# KiCad board tekskey-rounded.kicad_pcb (continued)
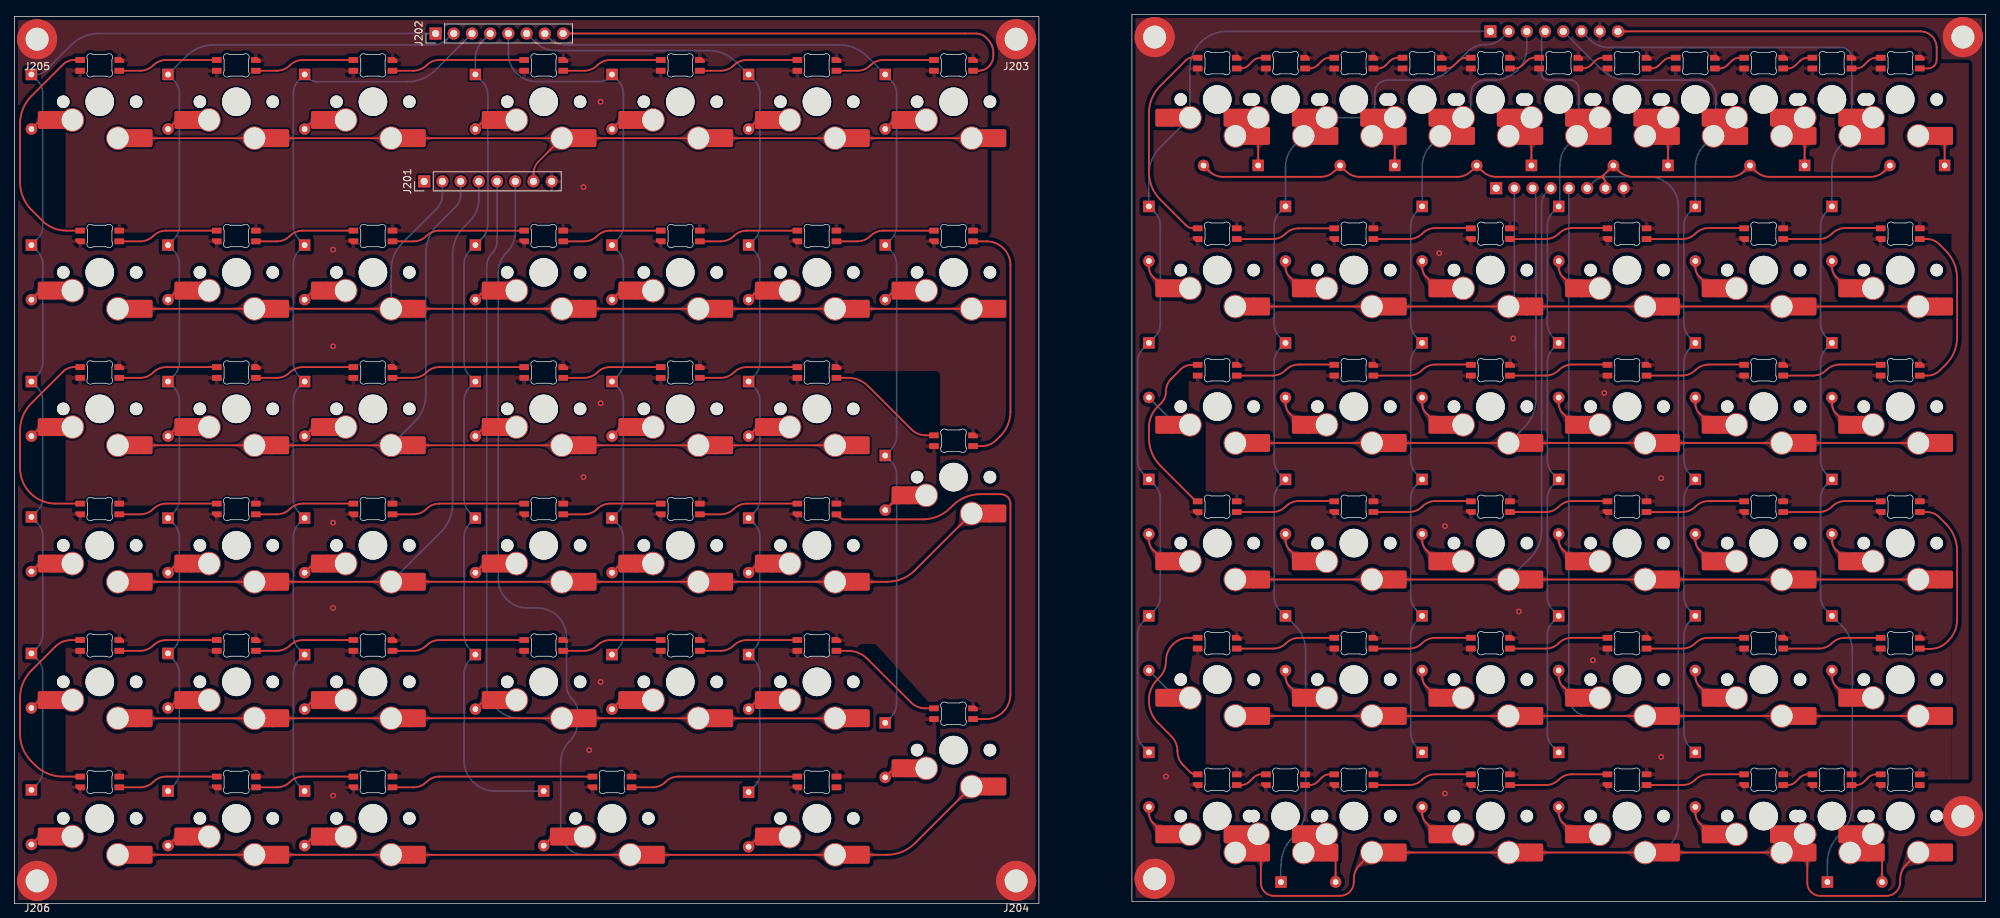
[diagram p0: board, top side]
## Copper pours and planes (outline as drawn; the poured copper is in the pictures) (continued)
Net-(D136-Pad2) on Bottom: 258.24,9.56 257.95,9.3 257.68,9.12 257.42,9 257.17,8.94 256.93,8.9 256.68,8.89 256.41,8.88 256.13,8.86 255.81,8.8 255.46,8.7 255.42,6.56 257.56,6.6 257.66,6.95 257.72,7.26 257.74,7.55 257.75,7.81 257.77,8.07 257.8,8.31 257.86,8.56 257.98,8.82 258.16,9.09 258.42,9.38
Net-(D136-Pad2) on Bottom: 256.66,7.62 256.93,7.86 257.18,8.02 257.42,8.11 257.65,8.15 257.88,8.15 258.12,8.13 258.37,8.09 258.64,8.06 258.94,8.03 259.28,8.04 259.9,10.09 257.83,10.63 257.63,10.3 257.49,10 257.39,9.72 257.33,9.46 257.27,9.2 257.21,8.94 257.11,8.68 256.97,8.41 256.77,8.12 256.49,7.8
Net-(D201-Pad2) on Top: 2.54,108.09 2.72,108.25 2.89,108.35 3.05,108.41 3.21,108.42 3.37,108.41 3.53,108.38 3.7,108.32 3.88,108.26 4.08,108.2 4.3,108.15 5.15,109.54 3.66,110.26 3.47,110.05 3.32,109.85 3.21,109.66 3.12,109.48 3.05,109.3 2.97,109.12 2.87,108.93 2.75,108.72 2.58,108.51 2.36,108.27
Net-(D201-Pad2) on Top: 3.42,109.32 3.28,109.2 3.15,109.11 3.03,109.05 2.91,109.01 2.8,108.99 2.68,108.97 2.56,108.96 2.43,108.94 2.28,108.91 2.12,108.86 2.1,107.83 3.14,107.85 3.18,108.01 3.21,108.15 3.23,108.29 3.24,108.41 3.26,108.53 3.28,108.64 3.32,108.76 3.38,108.88 3.47,109.01 3.59,109.14
Net-(D202-Pad2) on Top: 22.47,109.32 22.33,109.2 22.2,109.11 22.08,109.05 21.96,109.01 21.85,108.99 21.73,108.97 21.61,108.96 21.48,108.94 21.33,108.91 21.17,108.86 21.15,107.83 22.19,107.85 22.23,108.01 22.26,108.15 22.28,108.29 22.29,108.41 22.31,108.53 22.33,108.64 22.37,108.76 22.43,108.88 22.52,109.01 22.64,109.14
Net-(D202-Pad2) on Top: 21.59,108.09 21.77,108.25 21.94,108.35 22.1,108.41 22.26,108.42 22.42,108.41 22.58,108.38 22.75,108.32 22.93,108.26 23.13,108.2 23.35,108.15 24.2,109.54 22.71,110.26 22.52,110.05 22.37,109.85 22.26,109.66 22.17,109.48 22.1,109.3 22.02,109.12 21.92,108.93 21.8,108.72 21.63,108.51 21.41,108.27
Net-(D203-Pad2) on Top: 41.52,109.32 41.38,109.2 41.25,109.11 41.13,109.05 41.01,109.01 40.9,108.99 40.78,108.97 40.66,108.96 40.53,108.94 40.38,108.91 40.22,108.86 40.2,107.83 41.24,107.85 41.28,108.01 41.31,108.15 41.33,108.29 41.34,108.41 41.36,108.53 41.38,108.64 41.42,108.76 41.48,108.88 41.57,109.01 41.69,109.14
Net-(D203-Pad2) on Top: 40.64,108.09 40.82,108.25 40.99,108.35 41.15,108.41 41.31,108.42 41.47,108.41 41.63,108.38 41.8,108.32 41.98,108.26 42.18,108.2 42.4,108.15 43.25,109.54 41.76,110.26 41.57,110.05 41.42,109.85 41.31,109.66 41.22,109.48 41.15,109.3 41.07,109.12 40.97,108.93 40.85,108.72 40.68,108.51 40.46,108.27
Net-(D204-Pad2) on Top: 64.45,108.09 64.63,108.25 64.8,108.35 64.96,108.41 65.12,108.42 65.28,108.41 65.44,108.38 65.61,108.32 65.8,108.26 66,108.2 66.22,108.15 67.06,109.54 65.57,110.26 65.38,110.05 65.23,109.85 65.12,109.66 65.04,109.48 64.96,109.3 64.88,109.12 64.78,108.93 64.66,108.72 64.49,108.51 64.27,108.27
Net-(D204-Pad2) on Top: 65.33,109.32 65.19,109.2 65.06,109.11 64.94,109.05 64.83,109.01 64.71,108.99 64.6,108.97 64.47,108.96 64.34,108.94 64.19,108.91 64.03,108.86 64.01,107.83 65.05,107.85 65.1,108.01 65.13,108.15 65.14,108.29 65.16,108.41 65.17,108.53 65.19,108.64 65.23,108.76 65.29,108.88 65.38,109.01 65.51,109.14
Net-(D205-Pad2) on Top: 84.38,109.32 84.24,109.2 84.11,109.11 83.99,109.05 83.88,109.01 83.76,108.99 83.65,108.97 83.52,108.96 83.39,108.94 83.24,108.91 83.08,108.86 83.06,107.83 84.1,107.85 84.15,108.01 84.18,108.15 84.19,108.29 84.21,108.41 84.22,108.53 84.24,108.64 84.28,108.76 84.34,108.88 84.43,109.01 84.56,109.14
Net-(D205-Pad2) on Top: 83.5,108.09 83.68,108.25 83.85,108.35 84.01,108.41 84.17,108.42 84.33,108.41 84.49,108.38 84.66,108.32 84.85,108.26 85.05,108.2 85.27,108.15 86.11,109.54 84.62,110.26 84.43,110.05 84.28,109.85 84.17,109.66 84.09,109.48 84.01,109.3 83.93,109.12 83.83,108.93 83.71,108.72 83.54,108.51 83.32,108.27
Net-(D206-Pad2) on Top: 102.55,108.09 102.73,108.25 102.9,108.35 103.06,108.41 103.22,108.42 103.38,108.41 103.54,108.38 103.71,108.32 103.9,108.26 104.1,108.2 104.32,108.15 105.16,109.54 103.67,110.26 103.48,110.05 103.33,109.85 103.22,109.66 103.14,109.48 103.06,109.3 102.98,109.12 102.88,108.93 102.76,108.72 102.59,108.51 102.37,108.27
Net-(D206-Pad2) on Top: 103.43,109.32 103.29,109.2 103.16,109.11 103.04,109.05 102.93,109.01 102.81,108.99 102.7,108.97 102.57,108.96 102.44,108.94 102.29,108.91 102.13,108.86 102.11,107.83 103.15,107.85 103.2,108.01 103.23,108.15 103.24,108.29 103.26,108.41 103.27,108.53 103.29,108.64 103.33,108.76 103.39,108.88 103.48,109.01 103.61,109.14
Net-(D207-Pad2) on Top: 121.6,108.09 121.78,108.25 121.95,108.35 122.11,108.41 122.27,108.42 122.43,108.41 122.59,108.38 122.76,108.32 122.95,108.26 123.15,108.2 123.37,108.15 124.21,109.54 122.72,110.26 122.53,110.05 122.38,109.85 122.27,109.66 122.19,109.48 122.11,109.3 122.03,109.12 121.93,108.93 121.81,108.72 121.64,108.51 121.42,108.27
Net-(D207-Pad2) on Top: 122.48,109.32 122.34,109.2 122.21,109.11 122.09,109.05 121.98,109.01 121.86,108.99 121.75,108.97 121.62,108.96 121.49,108.94 121.34,108.91 121.18,108.86 121.16,107.83 122.2,107.85 122.25,108.01 122.28,108.15 122.29,108.29 122.31,108.41 122.32,108.53 122.34,108.64 122.38,108.76 122.44,108.88 122.53,109.01 122.66,109.14
Net-(D208-Pad2) on Top: 2.54,84.28 2.72,84.43 2.89,84.54 3.05,84.59 3.21,84.61 3.37,84.6 3.53,84.56 3.7,84.51 3.88,84.45 4.08,84.39 4.3,84.34 5.15,85.72 3.66,86.45 3.47,86.23 3.32,86.04 3.21,85.85 3.12,85.67 3.05,85.49 2.97,85.3 2.87,85.11 2.75,84.91 2.58,84.69 2.36,84.45
Net-(D208-Pad2) on Top: 3.42,85.51 3.28,85.38 3.15,85.29 3.03,85.23 2.91,85.2 2.8,85.17 2.68,85.16 2.56,85.15 2.43,85.13 2.28,85.1 2.12,85.05 2.1,84.01 3.14,84.03 3.18,84.2 3.21,84.34 3.23,84.47 3.24,84.6 3.26,84.72 3.28,84.83 3.32,84.95 3.38,85.07 3.47,85.19 3.59,85.33
Net-(D209-Pad2) on Top: 21.59,84.28 21.77,84.43 21.94,84.54 22.1,84.59 22.26,84.61 22.42,84.6 22.58,84.56 22.75,84.51 22.93,84.45 23.13,84.39 23.35,84.34 24.2,85.72 22.71,86.45 22.52,86.23 22.37,86.04 22.26,85.85 22.17,85.67 22.1,85.49 22.02,85.3 21.92,85.11 21.8,84.91 21.63,84.69 21.41,84.45
Net-(D209-Pad2) on Top: 22.47,85.51 22.33,85.38 22.2,85.29 22.08,85.23 21.96,85.2 21.85,85.17 21.73,85.16 21.61,85.15 21.48,85.13 21.33,85.1 21.17,85.05 21.15,84.01 22.19,84.03 22.23,84.2 22.26,84.34 22.28,84.47 22.29,84.6 22.31,84.72 22.33,84.83 22.37,84.95 22.43,85.07 22.52,85.19 22.64,85.33
Net-(D210-Pad2) on Top: 40.64,84.28 40.82,84.43 40.99,84.54 41.15,84.59 41.31,84.61 41.47,84.6 41.63,84.56 41.8,84.51 41.98,84.45 42.18,84.39 42.4,84.34 43.25,85.72 41.76,86.45 41.57,86.23 41.42,86.04 41.31,85.85 41.22,85.67 41.15,85.49 41.07,85.3 40.97,85.11 40.85,84.91 40.68,84.69 40.46,84.45
Net-(D210-Pad2) on Top: 41.52,85.51 41.38,85.38 41.25,85.29 41.13,85.23 41.01,85.2 40.9,85.17 40.78,85.16 40.66,85.15 40.53,85.13 40.38,85.1 40.22,85.05 40.2,84.01 41.24,84.03 41.28,84.2 41.31,84.34 41.33,84.47 41.34,84.6 41.36,84.72 41.38,84.83 41.42,84.95 41.48,85.07 41.57,85.19 41.69,85.33
Net-(D211-Pad2) on Top: 65.33,85.51 65.19,85.38 65.06,85.29 64.94,85.23 64.83,85.2 64.71,85.17 64.6,85.16 64.47,85.15 64.34,85.13 64.19,85.1 64.03,85.05 64.01,84.01 65.05,84.03 65.1,84.2 65.13,84.34 65.14,84.47 65.16,84.6 65.17,84.72 65.19,84.83 65.23,84.95 65.29,85.07 65.38,85.19 65.51,85.33
Net-(D211-Pad2) on Top: 64.45,84.28 64.63,84.43 64.8,84.54 64.96,84.59 65.12,84.61 65.28,84.6 65.44,84.56 65.61,84.51 65.8,84.45 66,84.39 66.22,84.34 67.06,85.72 65.57,86.45 65.38,86.23 65.23,86.04 65.12,85.85 65.04,85.67 64.96,85.49 64.88,85.3 64.78,85.11 64.66,84.91 64.49,84.69 64.27,84.45
Net-(D212-Pad2) on Top: 84.38,85.51 84.24,85.38 84.11,85.29 83.99,85.23 83.88,85.2 83.76,85.17 83.65,85.16 83.52,85.15 83.39,85.13 83.24,85.1 83.08,85.05 83.06,84.01 84.1,84.03 84.15,84.2 84.18,84.34 84.19,84.47 84.21,84.6 84.22,84.72 84.24,84.83 84.28,84.95 84.34,85.07 84.43,85.19 84.56,85.33
Net-(D212-Pad2) on Top: 83.5,84.28 83.68,84.43 83.85,84.54 84.01,84.59 84.17,84.61 84.33,84.6 84.49,84.56 84.66,84.51 84.85,84.45 85.05,84.39 85.27,84.34 86.11,85.72 84.62,86.45 84.43,86.23 84.28,86.04 84.17,85.85 84.09,85.67 84.01,85.49 83.93,85.3 83.83,85.11 83.71,84.91 83.54,84.69 83.32,84.45
Net-(D213-Pad2) on Top: 103.43,85.51 103.29,85.38 103.16,85.29 103.04,85.23 102.93,85.2 102.81,85.17 102.7,85.16 102.57,85.15 102.44,85.13 102.29,85.1 102.13,85.05 102.11,84.01 103.15,84.03 103.2,84.2 103.23,84.34 103.24,84.47 103.26,84.6 103.27,84.72 103.29,84.83 103.33,84.95 103.39,85.07 103.48,85.19 103.61,85.33
Net-(D213-Pad2) on Top: 102.55,84.28 102.73,84.43 102.9,84.54 103.06,84.59 103.22,84.61 103.38,84.6 103.54,84.56 103.71,84.51 103.9,84.45 104.1,84.39 104.32,84.34 105.16,85.72 103.67,86.45 103.48,86.23 103.33,86.04 103.22,85.85 103.14,85.67 103.06,85.49 102.98,85.3 102.88,85.11 102.76,84.91 102.59,84.69 102.37,84.45
Net-(D214-Pad2) on Top: 123.11,85.69 122.86,85.66 122.66,85.62 122.49,85.55 122.35,85.47 122.22,85.39 122.09,85.31 121.95,85.23 121.8,85.17 121.62,85.12 121.41,85.1 121.16,84.01 122.2,84.03 122.26,84.24 122.31,84.44 122.35,84.64 122.39,84.82 122.44,84.99 122.5,85.13 122.6,85.25 122.72,85.35 122.9,85.41 123.12,85.44
Net-(D214-Pad2) on Top: 121.59,84.27 121.79,84.44 121.97,84.54 122.15,84.59 122.32,84.6 122.49,84.57 122.67,84.52 122.86,84.46 123.06,84.4 123.28,84.35 123.52,84.32 124.19,85.8 122.68,86.41 122.5,86.19 122.36,85.99 122.26,85.8 122.17,85.62 122.1,85.45 122.02,85.27 121.92,85.09 121.8,84.89 121.63,84.68 121.42,84.45
Net-(D215-Pad2) on Top: 2.54,65.23 2.72,65.38 2.89,65.49 3.05,65.54 3.21,65.56 3.37,65.55 3.53,65.51 3.7,65.46 3.88,65.4 4.08,65.34 4.3,65.29 5.15,66.67 3.66,67.4 3.47,67.18 3.32,66.99 3.21,66.8 3.12,66.62 3.05,66.44 2.97,66.25 2.87,66.06 2.75,65.86 2.58,65.64 2.36,65.4
Net-(D215-Pad2) on Top: 3.42,66.46 3.28,66.33 3.15,66.24 3.03,66.18 2.91,66.15 2.8,66.12 2.68,66.11 2.56,66.1 2.43,66.08 2.28,66.05 2.12,66 2.1,64.96 3.14,64.98 3.18,65.15 3.21,65.29 3.23,65.42 3.24,65.55 3.26,65.67 3.28,65.78 3.32,65.9 3.38,66.02 3.47,66.14 3.59,66.28
Net-(D216-Pad2) on Top: 21.59,65.23 21.77,65.38 21.94,65.49 22.1,65.54 22.26,65.56 22.42,65.55 22.58,65.51 22.75,65.46 22.93,65.4 23.13,65.34 23.35,65.29 24.2,66.67 22.71,67.4 22.52,67.18 22.37,66.99 22.26,66.8 22.17,66.62 22.1,66.44 22.02,66.25 21.92,66.06 21.8,65.86 21.63,65.64 21.41,65.4
Net-(D216-Pad2) on Top: 22.47,66.46 22.33,66.33 22.2,66.24 22.08,66.18 21.96,66.15 21.85,66.12 21.73,66.11 21.61,66.1 21.48,66.08 21.33,66.05 21.17,66 21.15,64.96 22.19,64.98 22.23,65.15 22.26,65.29 22.28,65.42 22.29,65.55 22.31,65.67 22.33,65.78 22.37,65.9 22.43,66.02 22.52,66.14 22.64,66.28
Net-(D217-Pad2) on Top: 40.64,65.23 40.82,65.38 40.99,65.49 41.15,65.54 41.31,65.56 41.47,65.55 41.63,65.51 41.8,65.46 41.98,65.4 42.18,65.34 42.4,65.29 43.25,66.67 41.76,67.4 41.57,67.18 41.42,66.99 41.31,66.8 41.22,66.62 41.15,66.44 41.07,66.25 40.97,66.06 40.85,65.86 40.68,65.64 40.46,65.4
Net-(D217-Pad2) on Top: 41.52,66.46 41.38,66.33 41.25,66.24 41.13,66.18 41.01,66.15 40.9,66.12 40.78,66.11 40.66,66.1 40.53,66.08 40.38,66.05 40.22,66 40.2,64.96 41.24,64.98 41.28,65.15 41.31,65.29 41.33,65.42 41.34,65.55 41.36,65.67 41.38,65.78 41.42,65.9 41.48,66.02 41.57,66.14 41.69,66.28
Net-(D218-Pad2) on Top: 64.45,65.23 64.63,65.38 64.8,65.49 64.96,65.54 65.12,65.56 65.28,65.55 65.44,65.51 65.61,65.46 65.8,65.4 66,65.34 66.22,65.29 67.06,66.67 65.57,67.4 65.38,67.18 65.23,66.99 65.12,66.8 65.04,66.62 64.96,66.44 64.88,66.25 64.78,66.06 64.66,65.86 64.49,65.64 64.27,65.4
Net-(D218-Pad2) on Top: 65.33,66.46 65.19,66.33 65.06,66.24 64.94,66.18 64.83,66.15 64.71,66.12 64.6,66.11 64.47,66.1 64.34,66.08 64.19,66.05 64.03,66 64.01,64.96 65.05,64.98 65.1,65.15 65.13,65.29 65.14,65.42 65.16,65.55 65.17,65.67 65.19,65.78 65.23,65.9 65.29,66.02 65.38,66.14 65.51,66.28
Net-(D219-Pad2) on Top: 84.38,66.46 84.24,66.33 84.11,66.24 83.99,66.18 83.88,66.15 83.76,66.12 83.65,66.11 83.52,66.1 83.39,66.08 83.24,66.05 83.08,66 83.06,64.96 84.1,64.98 84.15,65.15 84.18,65.29 84.19,65.42 84.21,65.55 84.22,65.67 84.24,65.78 84.28,65.9 84.34,66.02 84.43,66.14 84.56,66.28
Net-(D219-Pad2) on Top: 83.5,65.23 83.68,65.38 83.85,65.49 84.01,65.54 84.17,65.56 84.33,65.55 84.49,65.51 84.66,65.46 84.85,65.4 85.05,65.34 85.27,65.29 86.11,66.67 84.62,67.4 84.43,67.18 84.28,66.99 84.17,66.8 84.09,66.62 84.01,66.44 83.93,66.25 83.83,66.06 83.71,65.86 83.54,65.64 83.32,65.4
Net-(D220-Pad2) on Top: 102.55,65.23 102.73,65.38 102.9,65.49 103.06,65.54 103.22,65.56 103.38,65.55 103.54,65.51 103.71,65.46 103.9,65.4 104.1,65.34 104.32,65.29 105.16,66.67 103.67,67.4 103.48,67.18 103.33,66.99 103.22,66.8 103.14,66.62 103.06,66.44 102.98,66.25 102.88,66.06 102.76,65.86 102.59,65.64 102.37,65.4
Net-(D220-Pad2) on Top: 103.43,66.46 103.29,66.33 103.16,66.24 103.04,66.18 102.93,66.15 102.81,66.12 102.7,66.11 102.57,66.1 102.44,66.08 102.29,66.05 102.13,66 102.11,64.96 103.15,64.98 103.2,65.15 103.23,65.29 103.24,65.42 103.26,65.55 103.27,65.67 103.29,65.78 103.33,65.9 103.39,66.02 103.48,66.14 103.61,66.28
Net-(D221-Pad2) on Top: 121.88,55.18 122.09,55.38 122.3,55.51 122.49,55.6 122.67,55.65 122.85,55.67 123.04,55.68 123.24,55.69 123.45,55.7 123.69,55.73 123.95,55.79 124.08,57.41 122.45,57.47 122.36,57.21 122.31,56.97 122.27,56.76 122.25,56.56 122.23,56.37 122.2,56.18 122.14,55.99 122.05,55.79 121.9,55.59 121.7,55.36
Net-(D221-Pad2) on Top: 122.48,56.14 122.34,56.01 122.21,55.92 122.09,55.86 121.98,55.83 121.86,55.8 121.75,55.79 121.62,55.78 121.49,55.76 121.34,55.73 121.18,55.68 121.16,54.64 122.2,54.66 122.25,54.83 122.28,54.97 122.29,55.11 122.31,55.23 122.32,55.35 122.34,55.46 122.38,55.58 122.44,55.7 122.53,55.82 122.66,55.96
Net-(D222-Pad2) on Top: 3.4,47.55 3.26,47.43 3.14,47.34 3.03,47.28 2.92,47.24 2.81,47.22 2.69,47.21 2.58,47.2 2.45,47.18 2.31,47.16 2.16,47.12 2.1,46.07 3.15,46.14 3.19,46.29 3.21,46.43 3.22,46.55 3.23,46.67 3.25,46.78 3.27,46.89 3.31,47 3.37,47.12 3.45,47.24 3.57,47.37
Net-(D222-Pad2) on Top: 2.51,46.31 2.68,46.46 2.84,46.55 3,46.6 3.15,46.61 3.3,46.59 3.45,46.55 3.61,46.49 3.79,46.42 3.97,46.34 4.17,46.27 5.16,47.56 3.66,48.35 3.47,48.15 3.33,47.96 3.21,47.78 3.12,47.62 3.03,47.45 2.95,47.29 2.84,47.11 2.72,46.92 2.55,46.72 2.34,46.49
Net-(D223-Pad2) on Top: 21.59,46.18 21.77,46.33 21.94,46.44 22.1,46.49 22.26,46.51 22.42,46.5 22.58,46.46 22.75,46.41 22.93,46.35 23.13,46.29 23.35,46.24 24.2,47.62 22.71,48.35 22.52,48.13 22.37,47.94 22.26,47.75 22.17,47.57 22.1,47.39 22.02,47.2 21.92,47.01 21.8,46.81 21.63,46.59 21.41,46.35
Net-(D223-Pad2) on Top: 22.47,47.41 22.33,47.28 22.2,47.19 22.08,47.13 21.96,47.1 21.85,47.07 21.73,47.06 21.61,47.05 21.48,47.03 21.33,47 21.17,46.95 21.15,45.91 22.19,45.93 22.23,46.1 22.26,46.24 22.28,46.37 22.29,46.5 22.31,46.62 22.33,46.73 22.37,46.85 22.43,46.97 22.52,47.09 22.64,47.23
Net-(D224-Pad2) on Top: 41.52,47.41 41.38,47.28 41.25,47.19 41.13,47.13 41.01,47.1 40.9,47.07 40.78,47.06 40.66,47.05 40.53,47.03 40.38,47 40.22,46.95 40.2,45.91 41.24,45.93 41.28,46.1 41.31,46.24 41.33,46.37 41.34,46.5 41.36,46.62 41.38,46.73 41.42,46.85 41.48,46.97 41.57,47.09 41.69,47.23
Net-(D224-Pad2) on Top: 40.64,46.18 40.82,46.33 40.99,46.44 41.15,46.49 41.31,46.51 41.47,46.5 41.63,46.46 41.8,46.41 41.98,46.35 42.18,46.29 42.4,46.24 43.25,47.62 41.76,48.35 41.57,48.13 41.42,47.94 41.31,47.75 41.22,47.57 41.15,47.39 41.07,47.2 40.97,47.01 40.85,46.81 40.68,46.59 40.46,46.35
Net-(D225-Pad2) on Top: 64.45,46.18 64.63,46.33 64.8,46.44 64.96,46.49 65.12,46.51 65.28,46.5 65.44,46.46 65.61,46.41 65.8,46.35 66,46.29 66.22,46.24 67.06,47.62 65.57,48.35 65.38,48.13 65.23,47.94 65.12,47.75 65.04,47.57 64.96,47.39 64.88,47.2 64.78,47.01 64.66,46.81 64.49,46.59 64.27,46.35
Net-(D225-Pad2) on Top: 65.33,47.41 65.19,47.28 65.06,47.19 64.94,47.13 64.83,47.1 64.71,47.07 64.6,47.06 64.47,47.05 64.34,47.03 64.19,47 64.03,46.95 64.01,45.91 65.05,45.93 65.1,46.1 65.13,46.24 65.14,46.37 65.16,46.5 65.17,46.62 65.19,46.73 65.23,46.85 65.29,46.97 65.38,47.09 65.51,47.23
Net-(D226-Pad2) on Top: 84.38,47.41 84.24,47.28 84.11,47.19 83.99,47.13 83.88,47.1 83.76,47.07 83.65,47.06 83.52,47.05 83.39,47.03 83.24,47 83.08,46.95 83.06,45.91 84.1,45.93 84.15,46.1 84.18,46.24 84.19,46.37 84.21,46.5 84.22,46.62 84.24,46.73 84.28,46.85 84.34,46.97 84.43,47.09 84.56,47.23
Net-(D226-Pad2) on Top: 83.5,46.18 83.68,46.33 83.85,46.44 84.01,46.49 84.17,46.51 84.33,46.5 84.49,46.46 84.66,46.41 84.85,46.35 85.05,46.29 85.27,46.24 86.11,47.62 84.62,48.35 84.43,48.13 84.28,47.94 84.17,47.75 84.09,47.57 84.01,47.39 83.93,47.2 83.83,47.01 83.71,46.81 83.54,46.59 83.32,46.35
Net-(D227-Pad2) on Top: 103.43,47.41 103.29,47.28 103.16,47.19 103.04,47.13 102.93,47.1 102.81,47.07 102.7,47.06 102.57,47.05 102.44,47.03 102.29,47 102.13,46.95 102.11,45.91 103.15,45.93 103.2,46.1 103.23,46.24 103.24,46.37 103.26,46.5 103.27,46.62 103.29,46.73 103.33,46.85 103.39,46.97 103.48,47.09 103.61,47.23
Net-(D227-Pad2) on Top: 102.55,46.18 102.73,46.33 102.9,46.44 103.06,46.49 103.22,46.51 103.38,46.5 103.54,46.46 103.71,46.41 103.9,46.35 104.1,46.29 104.32,46.24 105.16,47.62 103.67,48.35 103.48,48.13 103.33,47.94 103.22,47.75 103.14,47.57 103.06,47.39 102.98,47.2 102.88,47.01 102.76,46.81 102.59,46.59 102.37,46.35
Net-(D229-Pad2) on Top: 3.4,28.5 3.26,28.38 3.14,28.29 3.03,28.23 2.92,28.19 2.81,28.17 2.69,28.16 2.58,28.15 2.45,28.13 2.31,28.11 2.16,28.07 2.1,27.02 3.15,27.09 3.19,27.24 3.21,27.38 3.22,27.5 3.23,27.62 3.25,27.73 3.27,27.84 3.31,27.95 3.37,28.07 3.45,28.19 3.57,28.32
Net-(D229-Pad2) on Top: 2.51,27.26 2.68,27.41 2.84,27.5 3,27.55 3.15,27.56 3.3,27.54 3.45,27.5 3.61,27.44 3.79,27.37 3.97,27.29 4.17,27.22 5.16,28.51 3.66,29.3 3.47,29.1 3.33,28.91 3.21,28.73 3.12,28.57 3.03,28.4 2.95,28.24 2.84,28.06 2.72,27.87 2.55,27.67 2.34,27.44
Net-(D230-Pad2) on Top: 22.47,28.36 22.35,28.25 22.23,28.18 22.13,28.13 22.02,28.11 21.92,28.1 21.81,28.1 21.7,28.11 21.58,28.11 21.44,28.11 21.3,28.09 21.11,27.07 22.13,26.92 22.2,27.07 22.25,27.21 22.28,27.34 22.3,27.45 22.32,27.57 22.34,27.68 22.38,27.8 22.43,27.92 22.52,28.04 22.64,28.18
Net-(D230-Pad2) on Top: 21.59,27.13 21.77,27.28 21.94,27.39 22.1,27.44 22.26,27.46 22.42,27.45 22.58,27.41 22.75,27.36 22.93,27.3 23.13,27.24 23.35,27.19 24.2,28.57 22.71,29.3 22.52,29.08 22.37,28.89 22.26,28.7 22.17,28.52 22.1,28.34 22.02,28.15 21.92,27.96 21.8,27.76 21.63,27.54 21.41,27.3
Net-(D231-Pad2) on Top: 40.64,27.13 40.82,27.28 40.99,27.39 41.15,27.44 41.31,27.46 41.47,27.45 41.63,27.41 41.8,27.36 41.98,27.3 42.18,27.24 42.4,27.19 43.25,28.57 41.76,29.3 41.57,29.08 41.42,28.89 41.31,28.7 41.22,28.52 41.15,28.34 41.07,28.15 40.97,27.96 40.85,27.76 40.68,27.54 40.46,27.3
Net-(D231-Pad2) on Top: 41.52,28.36 41.38,28.23 41.25,28.14 41.13,28.08 41.01,28.05 40.9,28.02 40.78,28.01 40.66,28 40.53,27.98 40.38,27.95 40.22,27.9 40.2,26.86 41.24,26.88 41.28,27.05 41.31,27.19 41.33,27.32 41.34,27.45 41.36,27.57 41.38,27.68 41.42,27.8 41.48,27.92 41.57,28.04 41.69,28.18
Net-(D232-Pad2) on Top: 65.33,28.36 65.19,28.23 65.06,28.14 64.94,28.08 64.83,28.05 64.71,28.02 64.6,28.01 64.47,28 64.34,27.98 64.19,27.95 64.03,27.9 64.01,26.86 65.05,26.88 65.1,27.05 65.13,27.19 65.14,27.32 65.16,27.45 65.17,27.57 65.19,27.68 65.23,27.8 65.29,27.92 65.38,28.04 65.51,28.18
Net-(D232-Pad2) on Top: 64.45,27.13 64.63,27.28 64.8,27.39 64.96,27.44 65.12,27.46 65.28,27.45 65.44,27.41 65.61,27.36 65.8,27.3 66,27.24 66.22,27.19 67.06,28.57 65.57,29.3 65.38,29.08 65.23,28.89 65.12,28.7 65.04,28.52 64.96,28.34 64.88,28.15 64.78,27.96 64.66,27.76 64.49,27.54 64.27,27.3
Net-(D233-Pad2) on Top: 84.38,28.36 84.24,28.23 84.11,28.14 83.99,28.08 83.88,28.05 83.76,28.02 83.65,28.01 83.52,28 83.39,27.98 83.24,27.95 83.08,27.9 83.06,26.86 84.1,26.88 84.15,27.05 84.18,27.19 84.19,27.32 84.21,27.45 84.22,27.57 84.24,27.68 84.28,27.8 84.34,27.92 84.43,28.04 84.56,28.18
Net-(D233-Pad2) on Top: 83.5,27.13 83.68,27.28 83.85,27.39 84.01,27.44 84.17,27.46 84.33,27.45 84.49,27.41 84.66,27.36 84.85,27.3 85.05,27.24 85.27,27.19 86.11,28.57 84.62,29.3 84.43,29.08 84.28,28.89 84.17,28.7 84.09,28.52 84.01,28.34 83.93,28.15 83.83,27.96 83.71,27.76 83.54,27.54 83.32,27.3
Net-(D234-Pad2) on Top: 103.43,28.36 103.29,28.23 103.16,28.14 103.04,28.08 102.93,28.05 102.81,28.02 102.7,28.01 102.57,28 102.44,27.98 102.29,27.95 102.13,27.9 102.11,26.86 103.15,26.88 103.2,27.05 103.23,27.19 103.24,27.32 103.26,27.45 103.27,27.57 103.29,27.68 103.33,27.8 103.39,27.92 103.48,28.04 103.61,28.18
Net-(D234-Pad2) on Top: 102.55,27.13 102.73,27.28 102.9,27.39 103.06,27.44 103.22,27.46 103.38,27.45 103.54,27.41 103.71,27.36 103.9,27.3 104.1,27.24 104.32,27.19 105.16,28.57 103.67,29.3 103.48,29.08 103.33,28.89 103.22,28.7 103.14,28.52 103.06,28.34 102.98,28.15 102.88,27.96 102.76,27.76 102.59,27.54 102.37,27.3
Net-(D235-Pad2) on Top: 121.6,17.6 121.78,17.76 121.95,17.86 122.11,17.92 122.27,17.94 122.43,17.92 122.59,17.89 122.76,17.84 122.95,17.78 123.15,17.72 123.37,17.66 124.21,19.05 122.72,19.78 122.53,19.56 122.38,19.36 122.27,19.17 122.19,18.99 122.11,18.81 122.03,18.63 121.93,18.44 121.81,18.24 121.64,18.02 121.42,17.78
Net-(D235-Pad2) on Top: 122.48,18.83 122.34,18.71 122.21,18.62 122.09,18.56 121.98,18.52 121.86,18.5 121.75,18.48 121.62,18.47 121.49,18.45 121.34,18.42 121.18,18.38 121.16,17.34 122.2,17.36 122.25,17.52 122.28,17.67 122.29,17.8 122.31,17.92 122.32,18.04 122.34,18.15 122.38,18.27 122.44,18.39 122.53,18.52 122.66,18.66
Net-(D236-Pad2) on Top: 2.51,8.21 2.68,8.36 2.84,8.45 3,8.5 3.15,8.51 3.3,8.49 3.45,8.45 3.61,8.39 3.79,8.32 3.97,8.24 4.17,8.17 5.16,9.46 3.66,10.25 3.47,10.05 3.33,9.86 3.21,9.68 3.12,9.52 3.03,9.35 2.95,9.19 2.84,9.01 2.72,8.82 2.55,8.62 2.34,8.39
Net-(D236-Pad2) on Top: 3.4,9.45 3.26,9.33 3.14,9.24 3.03,9.18 2.92,9.14 2.81,9.12 2.69,9.11 2.58,9.1 2.45,9.08 2.31,9.06 2.16,9.02 2.1,7.97 3.15,8.04 3.19,8.19 3.21,8.33 3.22,8.45 3.23,8.57 3.25,8.68 3.27,8.79 3.31,8.9 3.37,9.02 3.45,9.14 3.57,9.27
Net-(D237-Pad2) on Top: 21.59,8.08 21.77,8.23 21.94,8.34 22.1,8.39 22.26,8.41 22.42,8.4 22.58,8.36 22.75,8.31 22.93,8.25 23.13,8.19 23.35,8.14 24.2,9.52 22.71,10.25 22.52,10.03 22.37,9.84 22.26,9.65 22.17,9.47 22.1,9.29 22.02,9.1 21.92,8.91 21.8,8.71 21.63,8.49 21.41,8.25
Net-(D237-Pad2) on Top: 22.47,9.31 22.33,9.18 22.2,9.09 22.08,9.03 21.96,9 21.85,8.97 21.73,8.96 21.61,8.95 21.48,8.93 21.33,8.9 21.17,8.85 21.15,7.81 22.19,7.83 22.23,8 22.26,8.14 22.28,8.27 22.29,8.4 22.31,8.52 22.33,8.63 22.37,8.75 22.43,8.87 22.52,8.99 22.64,9.13
Net-(D238-Pad2) on Top: 40.64,8.08 40.82,8.23 40.99,8.34 41.15,8.39 41.31,8.41 41.47,8.4 41.63,8.36 41.8,8.31 41.98,8.25 42.18,8.19 42.4,8.14 43.25,9.52 41.76,10.25 41.57,10.03 41.42,9.84 41.31,9.65 41.22,9.47 41.15,9.29 41.07,9.1 40.97,8.91 40.85,8.71 40.68,8.49 40.46,8.25
Net-(D238-Pad2) on Top: 41.52,9.31 41.38,9.18 41.25,9.09 41.13,9.03 41.01,9 40.9,8.97 40.78,8.96 40.66,8.95 40.53,8.93 40.38,8.9 40.22,8.85 40.2,7.81 41.24,7.83 41.28,8 41.31,8.14 41.33,8.27 41.34,8.4 41.36,8.52 41.38,8.63 41.42,8.75 41.48,8.87 41.57,8.99 41.69,9.13
Net-(D239-Pad2) on Top: 74.85,9.31 74.72,9.18 74.59,9.09 74.47,9.03 74.35,9 74.24,8.97 74.12,8.96 74,8.95 73.86,8.93 73.72,8.9 73.56,8.85 73.54,7.81 74.57,7.83 74.62,8 74.65,8.14 74.67,8.27 74.68,8.4 74.7,8.52 74.72,8.63 74.76,8.75 74.82,8.87 74.91,8.99 75.03,9.13
Net-(D239-Pad2) on Top: 73.98,8.08 74.16,8.23 74.32,8.34 74.49,8.39 74.65,8.41 74.8,8.4 74.97,8.36 75.14,8.31 75.32,8.25 75.52,8.19 75.74,8.14 76.59,9.52 75.1,10.25 74.9,10.03 74.76,9.84 74.65,9.65 74.56,9.47 74.48,9.29 74.4,9.1 74.31,8.91 74.19,8.71 74.02,8.49 73.8,8.25
Net-(D241-Pad2) on Top: 103.43,9.15 103.29,9.02 103.16,8.93 103.04,8.87 102.93,8.84 102.81,8.81 102.7,8.8 102.57,8.79 102.44,8.77 102.29,8.74 102.13,8.69 102.11,7.65 103.15,7.67 103.2,7.84 103.23,7.98 103.24,8.12 103.26,8.24 103.27,8.36 103.29,8.47 103.33,8.59 103.39,8.71 103.48,8.83 103.61,8.97
Net-(D241-Pad2) on Top: 102.59,7.96 102.78,8.12 102.95,8.23 103.12,8.3 103.29,8.32 103.45,8.31 103.62,8.29 103.8,8.24 104,8.2 104.21,8.15 104.44,8.12 105.14,9.58 103.65,10.23 103.46,10 103.32,9.79 103.22,9.59 103.14,9.4 103.08,9.21 103.01,9.02 102.92,8.82 102.8,8.61 102.64,8.38 102.41,8.13

Small or netless copper shapes (teardrops, artwork), in the pictures only: 161 on Top
